# Altium PCB PCB1.PcbDoc (part 3 of 4) (continued)
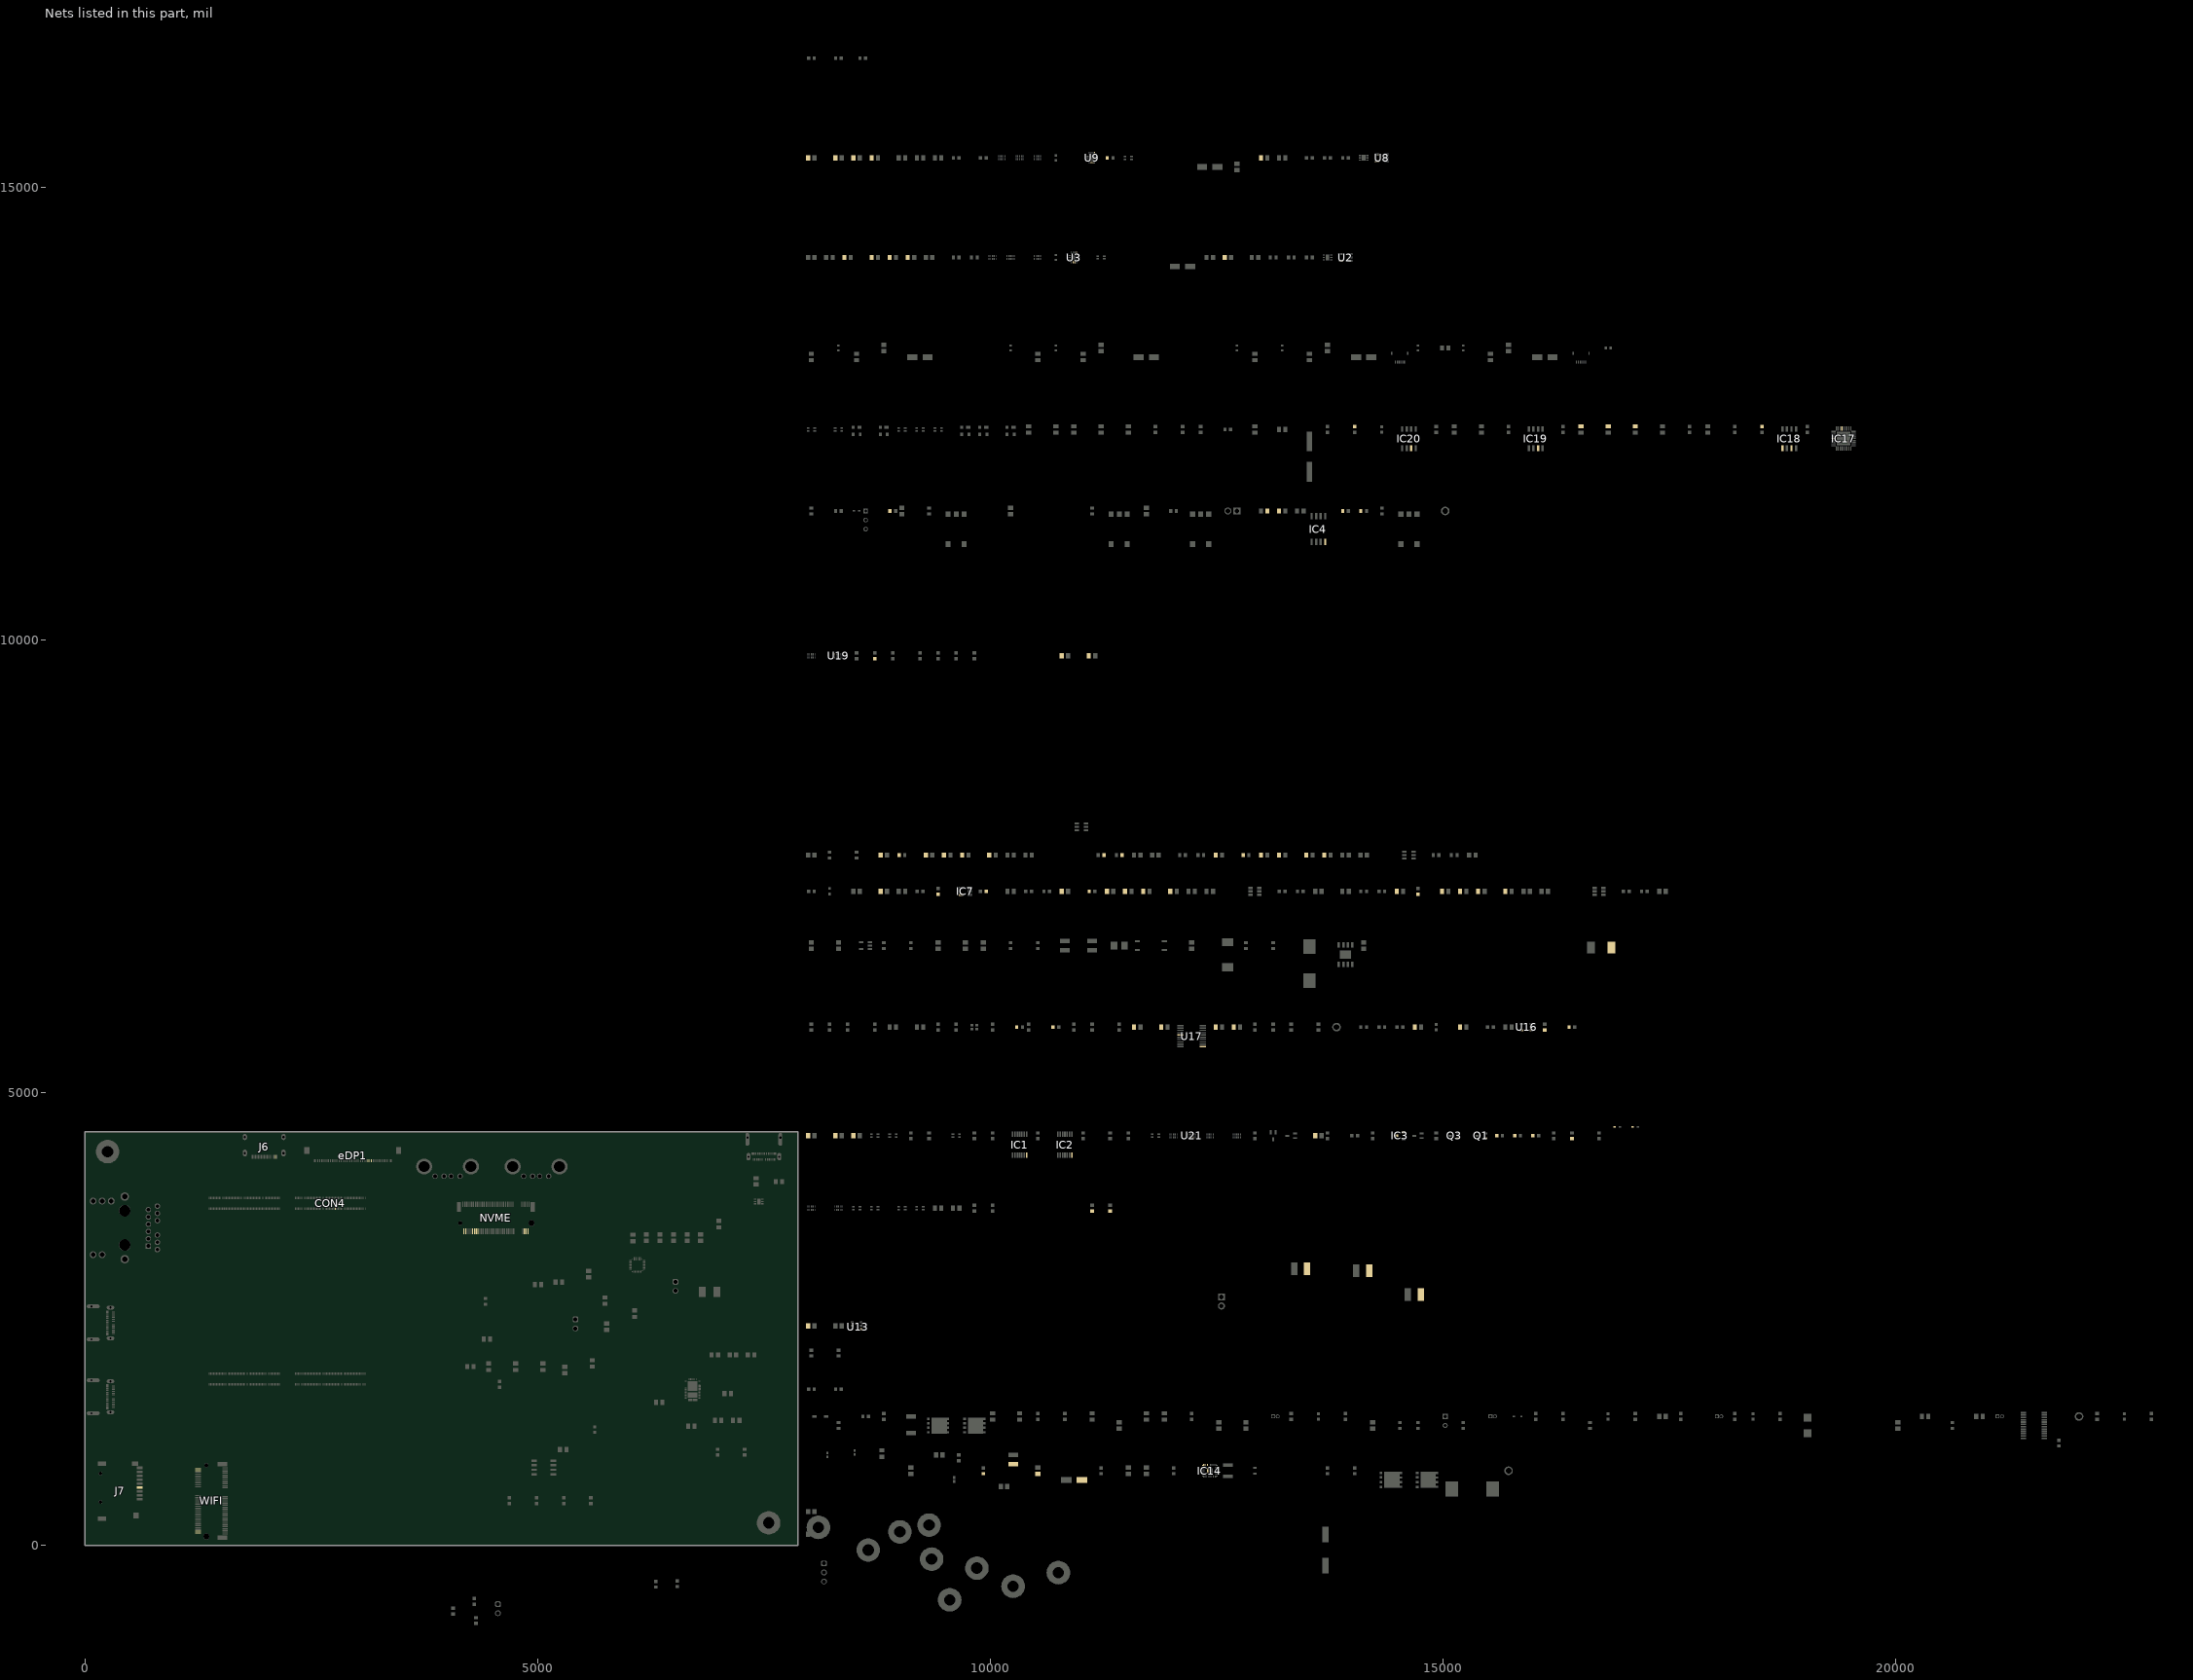
[diagram p10: the nets of this part, all layers, seen from the top]
## Part data (continued)
R6 R7 R19 R20 R21 R42 R43 R74 R79 R80 R84 R85 R89 R93 R94 R98 R99 R162: library part ERJ-3GEY0R00V, "Zero Ohm Resistor, Jumper, 0603 [1608 Metric], Thick Film, 100 mW, 1 A, Surface Mount", Case Code (Imperial)=0603, Case Code (Metric)=1608, Manufacturer=Panasonic, Max Operating Temperature=155°C, Max Power Dissipation=100mW, Min Operating Temperature=-55°C, Mouser Part Number=667-ERJ-3GEY0R00V, Package Quantity=5000, Ratings=AEC-Q200, Resistor Type="Thick Film", Supplier Part Number=P0.0GCT-ND, Temperature Coefficient=200ppm/°C, Tolerance=0%, Voltage Rating=75V, Arrow Part Number=ERJ-3GEY0R00V, Arrow Price/Stock=https://www.arrow.com/en/products/erj3gey0r00v/panasonic?region=europe, Case/Package=0603, Category="Chip SMD Resistors", ComponentLink1Description=https://datasheet.ciiva.com/11808/0900766b80f806dd-11808207.pdf?src-supplier=Rs, ComponentLink1URL=https://datasheet.ciiva.com/11808/0900766b80f806dd-11808207.pdf?src-supplier=Rs, ComponentLink2Description=https://datasheet.ciiva.com/27055/1935748-27055113.pdf?src-supplier=Jameco, ComponentLink2URL=https://datasheet.ciiva.com/27055/1935748-27055113.pdf?src-supplier=Jameco, ComponentLink3Description=https://datasheet.ciiva.com/5959/1678796-5959707.pdf?src-supplier=Farnell, ComponentLink3URL=https://datasheet.ciiva.com/5959/1678796-5959707.pdf?src-supplier=Farnell, ComponentLink4Description=https://datasheet.ciiva.com/43460/1678796-43460647.pdf?src-supplier=Farnell, ComponentLink4URL=https://datasheet.ciiva.com/43460/1678796-43460647.pdf?src-supplier=Farnell, ComponentLink5Description=https://datasheet.ciiva.com/48532/aoa0000ce1-48532165.pdf?src-supplier=Avnet, ComponentLink5URL=https://datasheet.ciiva.com/48532/aoa0000ce1-48532165.pdf?src-supplier=Avnet, ComponentLink6Description=https://datasheet.ciiva.com/28695/1678796-28695833.pdf?src-supplier=Element14, ComponentLink6URL=https://datasheet.ciiva.com/28695/1678796-28695833.pdf?src-supplier=Element14, ComponentLink7Description=https://datasheet.ciiva.com/16834/aoa0000ce1-16834828.pdf?src-supplier=Future+Electronics, ComponentLink7URL=https://datasheet.ciiva.com/16834/aoa0000ce1-16834828.pdf?src-supplier=Future+Electronics, ComponentLink8Description=https://datasheet.ciiva.com/16758/70255313-16758527.pdf?src-supplier=Allied+Electronics, ComponentLink8URL=https://datasheet.ciiva.com/16758/70255313-16758527.pdf?src-supplier=Allied+Electronics, ComponentLink9Description=https://datasheet.ciiva.com/30199/4aoa0000ce1-30199822.pdf?src-supplier=Onlinecomponents.com, ComponentLink9URL=https://datasheet.ciiva.com/30199/4aoa0000ce1-30199822.pdf?src-supplier=Onlinecomponents.com, ComponentLink10Description=https://datasheet.ciiva.com/46377/1678796-46377868.pdf?src-supplier=Element14, ComponentLink10URL=https://datasheet.ciiva.com/46377/1678796-46377868.pdf?src-supplier=Element14, ComponentLink11Description=https://datasheet.ciiva.com/9198/aoa0000ce1-9198975.pdf?src-supplier=Avnet, ComponentLink11URL=https://datasheet.ciiva.com/9198/aoa0000ce1-9198975.pdf?src-supplier=Avnet, Construction=Rectangular, Contact Plating=Tin, Datasheet Link=http://docs-europe.electrocomponents.com/webdocs/13ba/0900766b813ba21b.pdf, Depth=0.8mm, Features="Automotive AEC-Q200", Height=0.55mm, Lead Free=5697LeadFree, Length=1.6mm, Manufacturer Part Number=ERJ-3GEY0R00V, Manufacturer_Name=Panasonic, Manufacturer_Part_Number=ERJ-3GEY0R00V, Military Standard=Not, Mounting Technology="Surface Mount", Mouser Price/Stock=https://www.mouser.co.uk/ProductDetail/Panasonic/ERJ-3GEY0R00V?qs=66DK8nO8gJALIOqOWgiVwg%3D%3D, Number of Terminations=2, Packaging="Tape and Reel", Power Rating=100mW, Pricing="1=0.1, 10=0.02, 25=0.0164, 50=0.0144, 100=0.0126, 250=0.0106, 500=0.00936, 1000=0.0083 (USD)", Radiation Hardening=No, Reach SVHC Compliant=No, RoHS=Yes, RoHS Compliant=Yes, Series=ERJ, Stock=766631, Supplier=Digikey, Technology="THICK FILM", Termination=SMD/SMT, Width=0.8mm
R13 R22 R26 R27 R51 R52 R55 R57 R75 R76 R77 R81 R83 R86 R88 R95 R97 R100 R102 R104 R105 R106 R108 R117 R120 R127 R129 R164: library part ERJ-3GEYJ103V, "10K Ohm 5% Res Thick Film 0603  0.1W(1/10W) ±200ppm/C Pad SMD Automotive T/R", Case Code (Imperial)=0603, Case Code (Metric)=1608, Manufacturer=Panasonic, Max Operating Temperature=155°C, Max Power Dissipation=100mW, Min Operating Temperature=-55°C, Mouser Part Number=667-ERJ-3GEYJ103V, Package Quantity=1, Resistance Tolerance=5%, Resistor Type="Thick Film", Supplier Part Number=P10KGCT-ND, Temperature Coefficient=200ppm/°C, Voltage Rating=75V, Arrow Part Number=ERJ-3GEYJ103V, Arrow Price/Stock=https://www.arrow.com/en/products/erj-3geyj103v/panasonic?region=europe, Case/Package=0603, Category="Chip SMD Resistors", ComponentLink1Description=https://datasheet.ciiva.com/11809/0900766b80f806dd-11809566.pdf?src-supplier=Rs, ComponentLink1URL=https://datasheet.ciiva.com/11809/0900766b80f806dd-11809566.pdf?src-supplier=Rs, ComponentLink2Description=https://datasheet.ciiva.com/34303/2007265-34303757.pdf?src-supplier=Jameco, ComponentLink2URL=https://datasheet.ciiva.com/34303/2007265-34303757.pdf?src-supplier=Jameco, ComponentLink3Description=https://datasheet.ciiva.com/48531/aoa0000ce1-48531887.pdf?src-supplier=Avnet, ComponentLink3URL=https://datasheet.ciiva.com/48531/aoa0000ce1-48531887.pdf?src-supplier=Avnet, ComponentLink4Description=https://datasheet.ciiva.com/9117/aoa0000ce1-9117038.pdf?src-supplier=Avnet, ComponentLink4URL=https://datasheet.ciiva.com/9117/aoa0000ce1-9117038.pdf?src-supplier=Avnet, ComponentLink5Description=https://datasheet.ciiva.com/28514/1678796-28514213.pdf?src-supplier=Element14, ComponentLink5URL=https://datasheet.ciiva.com/28514/1678796-28514213.pdf?src-supplier=Element14, ComponentLink6Description=https://datasheet.ciiva.com/46371/1678796-46371909.pdf?src-supplier=Element14, ComponentLink6URL=https://datasheet.ciiva.com/46371/1678796-46371909.pdf?src-supplier=Element14, ComponentLink7Description=https://datasheet.ciiva.com/46385/1678796-46385240.pdf?src-supplier=Element14, ComponentLink7URL=https://datasheet.ciiva.com/46385/1678796-46385240.pdf?src-supplier=Element14, ComponentLink8Description=https://datasheet.ciiva.com/24133/aoa0000ce1-37422-24133064.pdf?src-supplier=Mouser, ComponentLink8URL=https://datasheet.ciiva.com/24133/aoa0000ce1-37422-24133064.pdf?src-supplier=Mouser, ComponentLink9Description=https://datasheet.ciiva.com/16740/aoa0000ce1-16740655.pdf?src-supplier=Future+Electronics, ComponentLink9URL=https://datasheet.ciiva.com/16740/aoa0000ce1-16740655.pdf?src-supplier=Future+Electronics, ComponentLink10Description=https://datasheet.ciiva.com/30147/4aoa0000ce1-30147029.pdf?src-supplier=Onlinecomponents.com, ComponentLink10URL=https://datasheet.ciiva.com/30147/4aoa0000ce1-30147029.pdf?src-supplier=Onlinecomponents.com, Construction=Rectangular, Contact Plating=Tin, Datasheet Link=http://docs-europe.electrocomponents.com/webdocs/13ba/0900766b813ba21b.pdf, Depth=0.8mm, Features="Automotive AEC-Q200", Height=0.55mm, Lead Free="Lead Free", Length=1.6mm, Manufacturer Part Number=ERJ-3GEYJ103V, Manufacturer_Name=Panasonic, Manufacturer_Part_Number=ERJ-3GEYJ103V, Military Standard=Not, Mounting Technology="Surface Mount", Mouser Price/Stock=https://www.mouser.co.uk/ProductDetail/Panasonic/ERJ-3GEYJ103V?qs=66DK8nO8gJBWgc%252B0VNNxzg%3D%3D, Number of Terminations=2, Packaging="Tape and Reel", Power Rating=100mW, Pricing="1=0.1, 10=0.033, 50=0.02, 100=0.0165, 500=0.01096, 1000=0.00939 (USD)", Reach SVHC Compliant=No, RoHS=Yes, RoHS Compliant=Yes, Series=ERJ, Stock=2191587, Supplier=Digikey, Technology="THICK FILM", Termination=SMD/SMT, Tolerance=5%, Weight=7.1E-05oz, Width=0.8mm, Working Voltage=75V
R14 R15 R16 R17: library part ERJ-3EKF5600V, "560 Ohm, ï¿½ 1%, 100 mW, 0603 [1608 Metric], Thick Film, Precision", Case Code (Imperial)=0603, Case Code (Metric)=1608, Manufacturer=Panasonic, Max Operating Temperature=155°C, Max Power Dissipation=100mW, Max Supply Voltage=5V, Min Operating Temperature=-55°C, Min Supply Voltage=3V, Output Current=2A, Output Voltage=35V, Package Quantity=1, Resistance Tolerance=1%, Resistor Type="Thick Film", Supplier Part Number=P560HCT-ND, Temperature Coefficient=100ppm/°C, Voltage Rating=75V, Case/Package=0603, Category="Chip SMD Resistors", ComponentLink1Description=https://datasheet.ciiva.com/3883/3984280s8821682n1386-3883650.pdf?src-supplier=Arrow+Electronics, ComponentLink1URL=https://datasheet.ciiva.com/3883/3984280s8821682n1386-3883650.pdf?src-supplier=Arrow+Electronics, ComponentLink2Description=https://datasheet.ciiva.com/5860/aoa0000ce2-5860665.pdf?src-supplier=Farnell, ComponentLink2URL=https://datasheet.ciiva.com/5860/aoa0000ce2-5860665.pdf?src-supplier=Farnell, ComponentLink3Description=https://datasheet.ciiva.com/30250/aoa0000ce2-30250751.pdf?src-supplier=Onlinecomponents.com, ComponentLink3URL=https://datasheet.ciiva.com/30250/aoa0000ce2-30250751.pdf?src-supplier=Onlinecomponents.com, ComponentLink4Description=https://datasheet.ciiva.com/22674/1678782-22674427.pdf?src-supplier=Element14, ComponentLink4URL=https://datasheet.ciiva.com/22674/1678782-22674427.pdf?src-supplier=Element14, ComponentLink5Description=https://datasheet.ciiva.com/9117/aoa0000ce2-9117192.pdf?src-supplier=Avnet, ComponentLink5URL=https://datasheet.ciiva.com/9117/aoa0000ce2-9117192.pdf?src-supplier=Avnet, ComponentLink6Description=https://datasheet.ciiva.com/16763/70260748-16763150.pdf?src-supplier=Allied+Electronics, ComponentLink6URL=https://datasheet.ciiva.com/16763/70260748-16763150.pdf?src-supplier=Allied+Electronics, ComponentLink7Description=https://datasheet.ciiva.com/16781/70260748-16781128.pdf?src-supplier=Allied+Electronics, ComponentLink7URL=https://datasheet.ciiva.com/16781/70260748-16781128.pdf?src-supplier=Allied+Electronics, ComponentLink8Description=https://datasheet.ciiva.com/22737/426256-22737578.pdf?src-supplier=Element14, ComponentLink8URL=https://datasheet.ciiva.com/22737/426256-22737578.pdf?src-supplier=Element14, ComponentLink9Description=https://datasheet.ciiva.com/28590/1678782-28590766.pdf?src-supplier=Element14, ComponentLink9URL=https://datasheet.ciiva.com/28590/1678782-28590766.pdf?src-supplier=Element14, Construction=Rectangular, Contact Plating=Tin, Depth=0.8mm, Features="Automotive AEC-Q200", Height=0.022inch, Lead Free="Lead Free", Length=1.6mm, Manufacturer Part Number=ERJ-3EKF5600V, Mfr_Name=Panasonic, Military Standard=Not, Mounting Technology="Surface Mount", Number of Terminations=2, Packaging="Tape and Reel", Power Rating=100mW, Pricing="1=0.1, 10=0.035, 100=0.0177, 1000=0.01014, 2500=0.00888 (USD)", Radiation Hardening=No, Reach SVHC Compliant=No, RoHS=Yes, RoHS Compliant=Yes, Series=ERJ, Stock=100259, Supplier=Digikey, Termination=SMD/SMT, Tolerance=1%, Voltage Rating (DC)=75V, Weight=7.1E-05oz, Width=0.8mm
R18 R53: library part ERJ-3GEYJ473V, "47K Ohm 5% 1/10W 0603 200ppm/C Molded SMD Punched Carrier T/R", Case Code (Imperial)=0603, Case Code (Metric)=1608, Manufacturer=Panasonic, Max Operating Temperature=155°C, Max Power Dissipation=100mW, Min Operating Temperature=-55°C, Package Quantity=1, Resistance Tolerance=5%, Resistor Type="Thick Film", Supplier Part Number=P47KGCT-ND, Temperature Coefficient=200ppm/°C, Voltage Rating=75V, Voltage Rating (DC)=50V, Case/Package=0603, Category="Chip SMD Resistors", ComponentLink1Description=https://datasheet.ciiva.com/11821/0900766b80f806dd-11821464.pdf?src-supplier=Rs, ComponentLink1URL=https://datasheet.ciiva.com/11821/0900766b80f806dd-11821464.pdf?src-supplier=Rs, ComponentLink2Description=https://datasheet.ciiva.com/48531/aoa0000ce1-48531644.pdf?src-supplier=Avnet, ComponentLink2URL=https://datasheet.ciiva.com/48531/aoa0000ce1-48531644.pdf?src-supplier=Avnet, ComponentLink3Description=https://datasheet.ciiva.com/24024/aoa0000ce1-37422-24024310.pdf?src-supplier=Mouser, ComponentLink3URL=https://datasheet.ciiva.com/24024/aoa0000ce1-37422-24024310.pdf?src-supplier=Mouser, ComponentLink4Description=https://datasheet.ciiva.com/28587/1678796-28587208.pdf?src-supplier=Element14, ComponentLink4URL=https://datasheet.ciiva.com/28587/1678796-28587208.pdf?src-supplier=Element14, ComponentLink5Description=https://datasheet.ciiva.com/28681/1678796-28681548.pdf?src-supplier=Element14, ComponentLink5URL=https://datasheet.ciiva.com/28681/1678796-28681548.pdf?src-supplier=Element14, ComponentLink6Description=https://datasheet.ciiva.com/46377/1500035-46377557.pdf?src-supplier=Element14, ComponentLink6URL=https://datasheet.ciiva.com/46377/1500035-46377557.pdf?src-supplier=Element14, ComponentLink7Description=https://datasheet.ciiva.com/46389/1500035-46389464.pdf?src-supplier=Element14, ComponentLink7URL=https://datasheet.ciiva.com/46389/1500035-46389464.pdf?src-supplier=Element14, Construction=Rectangular, Contact Plating=Tin, Depth=0.8mm, Features="Automotive AEC-Q200", Height=0.45mm, Lead Free="Lead Free", Length=1.6mm, Manufacturer Part Number=ERJ-3GEYJ473V, Mfr_Name=Panasonic, Military Standard=Not, Mounting Technology="Surface Mount", Number of Terminations=2, Packaging="Tape and Reel", Power Rating=100mW, Pricing="1=0.1, 10=0.033, 50=0.02, 100=0.0165, 500=0.01096, 1000=0.00939 (USD)", Radiation Hardening=No, Reach SVHC Compliant=No, RoHS=Yes, RoHS Compliant=Yes, Series=ERJ, Stock=564429, Supplier=Digikey, Technology="THICK FILM", Termination=SMD/SMT, Tolerance=5%, Width=0.8mm
R24 R103 R107: library part ERA-3AEB472V, "4.7K Ohm 0.1% 0.1W 0603 ±25ppm/°C Molded SMD Punched Carrier T/R", Case Code (Imperial)=0603, Case Code (Metric)=1608, Manufacturer=Panasonic, Max Operating Temperature=155°C, Max Power Dissipation=100mW, Min Operating Temperature=-55°C, Package Quantity=5000, Ratings=AEC-Q200, Resistance Tolerance=0.1%, Resistor Type="Thin Film", Supplier Part Number=P4.7KDBCT-ND, Temperature Coefficient=25ppm/°C, Voltage Rating=75V, Case/Package=0603, Category="Chip SMD Resistors", ComponentLink1Description=https://datasheet.ciiva.com/11808/0900766b80fe20f7-11808039.pdf?src-supplier=Rs, ComponentLink1URL=https://datasheet.ciiva.com/11808/0900766b80fe20f7-11808039.pdf?src-supplier=Rs, ComponentLink2Description=https://datasheet.ciiva.com/29183/451124-da-01-en-widerstand-0603-era-29183789.pdf?src-supplier=Conrad, ComponentLink2URL=https://datasheet.ciiva.com/29183/451124-da-01-en-widerstand-0603-era-29183789.pdf?src-supplier=Conrad, ComponentLink3Description=https://datasheet.ciiva.com/22781/485442-22781497.pdf?src-supplier=Farnell, ComponentLink3URL=https://datasheet.ciiva.com/22781/485442-22781497.pdf?src-supplier=Farnell, ComponentLink4Description=https://datasheet.ciiva.com/43455/485442-43455227.pdf?src-supplier=Farnell, ComponentLink4URL=https://datasheet.ciiva.com/43455/485442-43455227.pdf?src-supplier=Farnell, ComponentLink5Description=https://datasheet.ciiva.com/9116/aoa0000ce26-9116681.pdf?src-supplier=Avnet, ComponentLink5URL=https://datasheet.ciiva.com/9116/aoa0000ce26-9116681.pdf?src-supplier=Avnet, ComponentLink6Description=https://datasheet.ciiva.com/9117/aoa0000ce26-9117707.pdf?src-supplier=Avnet, ComponentLink6URL=https://datasheet.ciiva.com/9117/aoa0000ce26-9117707.pdf?src-supplier=Avnet, ComponentLink7Description=https://datasheet.ciiva.com/48425/era-eng-tds-48425470.pdf?src-supplier=Distrelec, ComponentLink7URL=https://datasheet.ciiva.com/48425/era-eng-tds-48425470.pdf?src-supplier=Distrelec, ComponentLink8Description=https://datasheet.ciiva.com/46422/485442-46422693.pdf?src-supplier=Element14, ComponentLink8URL=https://datasheet.ciiva.com/46422/485442-46422693.pdf?src-supplier=Element14, ComponentLink9Description=https://datasheet.ciiva.com/30078/54aoa0000ce26-30078815.pdf?src-supplier=Onlinecomponents.com, ComponentLink9URL=https://datasheet.ciiva.com/30078/54aoa0000ce26-30078815.pdf?src-supplier=Onlinecomponents.com, ComponentLink10Description=https://datasheet.ciiva.com/22743/485442-22743061.pdf?src-supplier=Element14, ComponentLink10URL=https://datasheet.ciiva.com/22743/485442-22743061.pdf?src-supplier=Element14, Construction=Rectangular, Contact Plating=Tin, Depth=0.8mm, Features="Automotive AEC-Q200", Height=0.45mm, Lead Free="Lead Free", Length=1.6mm, Manufacturer Part Number=ERA-3AEB472V, Mfr_Name=Panasonic, Military Standard=Not, Mounting Technology="Surface Mount", Number of Terminations=2, Packaging="Tape and Reel", Pins=2, Power Rating=100mW, Pricing="1=0.1, 10=0.065, 50=0.0574, 100=0.0541, 500=0.0475, 1000=0.045 (USD)", Radiation Hardening=No, Reach SVHC Compliant=No, RoHS=Yes, RoHS Compliant=Yes, Series=ERA-3A, Stock=284751, Supplier=Digikey, Technology="THIN FILM", Termination=SMD/SMT, Tolerance=0.1%, Voltage Rating (DC)=75V, Width=0.8mm, Working Voltage=75V
R25 R70 R71 R72 R73 R111 R135 R136: library part ERJ-3EKF1000V, "100 Ohm 1% 1/10W 0603 ±100ppm/°C Molded SMD Punched Carrier T/R", Case Code (Imperial)=0603, Case Code (Metric)=1608, Manufacturer=Panasonic, Max Operating Temperature=155°C, Max Power Dissipation=100mW, Min Operating Temperature=-55°C, Mouser Part Number=667-ERJ-3EKF1000V, Package Quantity=5000, Resistance Tolerance=1%, Resistor Type="Thick Film", Supplier Part Number=P100HCT-ND, Temperature Coefficient=100ppm/°C, Voltage Rating=75V, Arrow Part Number=ERJ-3EKF1000V, Arrow Price/Stock=https://www.arrow.com/en/products/erj-3ekf1000v/panasonic?utm_currency=USD&region=nac, Case/Package=0603, Category="Chip SMD Resistors", ComponentLink1Description=https://datasheet.ciiva.com/34303/1987450-34303565.pdf?src-supplier=Jameco, ComponentLink1URL=https://datasheet.ciiva.com/34303/1987450-34303565.pdf?src-supplier=Jameco, ComponentLink2Description=https://datasheet.ciiva.com/9186/aoa0000ce2-9186725.pdf?src-supplier=Avnet, ComponentLink2URL=https://datasheet.ciiva.com/9186/aoa0000ce2-9186725.pdf?src-supplier=Avnet, ComponentLink3Description=https://datasheet.ciiva.com/48530/aoa0000ce2-48530986.pdf?src-supplier=Avnet, ComponentLink3URL=https://datasheet.ciiva.com/48530/aoa0000ce2-48530986.pdf?src-supplier=Avnet, ComponentLink4Description=https://datasheet.ciiva.com/7830/aoa0000ce2-7830728.pdf?src-supplier=Element14, ComponentLink4URL=https://datasheet.ciiva.com/7830/aoa0000ce2-7830728.pdf?src-supplier=Element14, ComponentLink5Description=https://datasheet.ciiva.com/22667/1678782-22667887.pdf?src-supplier=Element14, ComponentLink5URL=https://datasheet.ciiva.com/22667/1678782-22667887.pdf?src-supplier=Element14, ComponentLink6Description=https://datasheet.ciiva.com/46372/1678782-46372726.pdf?src-supplier=Element14, ComponentLink6URL=https://datasheet.ciiva.com/46372/1678782-46372726.pdf?src-supplier=Element14, ComponentLink7Description=https://datasheet.ciiva.com/46372/1678782-46372727.pdf?src-supplier=Element14, ComponentLink7URL=https://datasheet.ciiva.com/46372/1678782-46372727.pdf?src-supplier=Element14, ComponentLink8Description=https://datasheet.ciiva.com/24159/aoa0000ce2-24159753.pdf?src-supplier=Mouser, ComponentLink8URL=https://datasheet.ciiva.com/24159/aoa0000ce2-24159753.pdf?src-supplier=Mouser, ComponentLink9Description=https://datasheet.ciiva.com/16765/70260748-16765766.pdf?src-supplier=Allied+Electronics, ComponentLink9URL=https://datasheet.ciiva.com/16765/70260748-16765766.pdf?src-supplier=Allied+Electronics, ComponentLink10Description=https://datasheet.ciiva.com/16762/70260748-16762666.pdf?src-supplier=Allied+Electronics, ComponentLink10URL=https://datasheet.ciiva.com/16762/70260748-16762666.pdf?src-supplier=Allied+Electronics, ComponentLink11Description=https://datasheet.ciiva.com/30088/aoa0000ce2-30088649.pdf?src-supplier=Onlinecomponents.com, ComponentLink11URL=https://datasheet.ciiva.com/30088/aoa0000ce2-30088649.pdf?src-supplier=Onlinecomponents.com, Construction=Rectangular, Contact Plating=Tin, Datasheet Link=http://industrial.panasonic.com/cdbs/www-data/pdf/RDA0000/AOA0000C86.pdf, Depth=0.8mm, Features="Automotive AEC-Q200", Height=0.55mm, Lead Free="Lead Free", Length=1.6mm, Manufacturer Part Number=ERJ-3EKF1000V, Manufacturer_Name=Panasonic, Manufacturer_Part_Number=ERJ-3EKF1000V, Military Standard=Not, Mounting Technology="Surface Mount", Mouser Price/Stock=https://www.mouser.co.uk/ProductDetail/Panasonic/ERJ-3EKF1000V?qs=H7k1u0Mp9JS7i8KGO5m47A%3D%3D, Number of Terminations=2, Packaging="Tape and Reel", Power Rating=100mW, Pricing="1=0.1, 10=0.035, 100=0.0177, 1000=0.01014, 2500=0.00888 (USD)", Radiation Hardening=No, Reach SVHC Compliant=No, RoHS=Yes, RoHS Compliant=Yes, Series=ERJ, Stock=1036225, Supplier=Digikey, Termination=SMD/SMT, Tolerance=1%, Voltage Rating (DC)=75V, Weight=7.1E-05oz, Width=0.8mm
R28 R29 R32 R33 R34 R35 R44 R45 R46 R47 R48 R49 R50 R78 R126 R131 R133 R137 R139: library part ERJ-3EKF33R0V, "33 Ohm 1% 0.1W 0603 ±100ppm/°C Molded SMD Punched Carrier T/R", Case Code (Imperial)=0603, Case Code (Metric)=1608, Manufacturer=Panasonic, Max Operating Temperature=155°C, Max Power Dissipation=100mW, Min Operating Temperature=-55°C, Package Quantity=1, Resistance Tolerance=1%, Resistor Type="Thick Film", Supplier Part Number=P33.0HCT-ND, Temperature Coefficient=100ppm/°C, Voltage Rating=75V, Case/Package=0603, Category="Chip SMD Resistors", ComponentLink1Description=https://datasheet.ciiva.com/5917/aoa0000ce2-5917831.pdf?src-supplier=Farnell, ComponentLink1URL=https://datasheet.ciiva.com/5917/aoa0000ce2-5917831.pdf?src-supplier=Farnell, ComponentLink2Description=https://datasheet.ciiva.com/48531/aoa0000ce2-48531007.pdf?src-supplier=Avnet, ComponentLink2URL=https://datasheet.ciiva.com/48531/aoa0000ce2-48531007.pdf?src-supplier=Avnet, ComponentLink3Description=https://datasheet.ciiva.com/30250/aoa0000ce2-30250862.pdf?src-supplier=Onlinecomponents.com, ComponentLink3URL=https://datasheet.ciiva.com/30250/aoa0000ce2-30250862.pdf?src-supplier=Onlinecomponents.com, ComponentLink4Description=https://datasheet.ciiva.com/16778/70260748-16778478.pdf?src-supplier=Allied+Electronics, ComponentLink4URL=https://datasheet.ciiva.com/16778/70260748-16778478.pdf?src-supplier=Allied+Electronics, ComponentLink5Description=https://datasheet.ciiva.com/16781/70260748-16781237.pdf?src-supplier=Allied+Electronics, ComponentLink5URL=https://datasheet.ciiva.com/16781/70260748-16781237.pdf?src-supplier=Allied+Electronics, ComponentLink6Description=https://datasheet.ciiva.com/22673/1678782-22673288.pdf?src-supplier=Element14, ComponentLink6URL=https://datasheet.ciiva.com/22673/1678782-22673288.pdf?src-supplier=Element14, ComponentLink7Description=https://datasheet.ciiva.com/24026/aoa0000ce2-24026635.pdf?src-supplier=Mouser, ComponentLink7URL=https://datasheet.ciiva.com/24026/aoa0000ce2-24026635.pdf?src-supplier=Mouser, ComponentLink8Description=https://datasheet.ciiva.com/22687/1678782-22687390.pdf?src-supplier=Element14, ComponentLink8URL=https://datasheet.ciiva.com/22687/1678782-22687390.pdf?src-supplier=Element14, ComponentLink9Description=https://datasheet.ciiva.com/7836/aoa0000ce2-7836503.pdf?src-supplier=Element14, ComponentLink9URL=https://datasheet.ciiva.com/7836/aoa0000ce2-7836503.pdf?src-supplier=Element14, ComponentLink10Description=https://datasheet.ciiva.com/7836/426256-7836821.pdf?src-supplier=Element14, ComponentLink10URL=https://datasheet.ciiva.com/7836/426256-7836821.pdf?src-supplier=Element14, Construction=Rectangular, Contact Plating=Tin, Depth=0.8mm, Features="Automotive AEC-Q200", Height=0.022inch, Lead Free="Lead Free", Length=1.6mm, Manufacturer Part Number=ERJ-3EKF33R0V, Mfr_Name=Panasonic, Military Standard=Not, Mounting Technology="Surface Mount", Number of Terminations=2, Packaging="Tape and Reel", Pins=2, Power Rating=100mW, Pricing="1=0.1, 10=0.035, 100=0.0177, 1000=0.01014, 2500=0.00888 (USD)", Radiation Hardening=No, Reach SVHC Compliant=No, RoHS=Yes, RoHS Compliant=Yes, Series=ERJ, Stock=430721, Supplier=Digikey, Termination=SMD/SMT, Tolerance=1%, Voltage Rating (DC)=75V, Width=0.8mm
R30 R31 R37 R38 R39 R40: library part ERJ-3EKF49R9V, "100Mw Thick Film Resistors 100Ppm/ 1% 49.9 0603 Chip Resistor Surface Mount Rohs", Case Code (Imperial)=0603, Case Code (Metric)=1608, Manufacturer=Panasonic, Max Operating Temperature=155°C, Max Power Dissipation=100mW, Min Operating Temperature=-55°C, Package Quantity=5000, Resistance Tolerance=1%, Resistor Type="Thick Film", Supplier Part Number=P49.9HCT-ND, Temperature Coefficient=100ppm/°C, Voltage Rating=75V, Working Voltage=6V, Case/Package=0603, Category="Chip SMD Resistors", ComponentLink1Description=https://datasheet.ciiva.com/48531/aoa0000ce2-48531019.pdf?src-supplier=Avnet, ComponentLink1URL=https://datasheet.ciiva.com/48531/aoa0000ce2-48531019.pdf?src-supplier=Avnet, ComponentLink2Description=https://datasheet.ciiva.com/30095/aoa0000ce2-30095355.pdf?src-supplier=Onlinecomponents.com, ComponentLink2URL=https://datasheet.ciiva.com/30095/aoa0000ce2-30095355.pdf?src-supplier=Onlinecomponents.com, ComponentLink3Description=https://datasheet.ciiva.com/9117/aoa0000ce2-9117128.pdf?src-supplier=Avnet, ComponentLink3URL=https://datasheet.ciiva.com/9117/aoa0000ce2-9117128.pdf?src-supplier=Avnet, ComponentLink4Description=https://datasheet.ciiva.com/16766/70260748-16766262.pdf?src-supplier=Allied+Electronics, ComponentLink4URL=https://datasheet.ciiva.com/16766/70260748-16766262.pdf?src-supplier=Allied+Electronics, ComponentLink5Description=https://datasheet.ciiva.com/16772/70260748-16772570.pdf?src-supplier=Allied+Electronics, ComponentLink5URL=https://datasheet.ciiva.com/16772/70260748-16772570.pdf?src-supplier=Allied+Electronics, ComponentLink6Description=https://datasheet.ciiva.com/28694/1678782-28694219.pdf?src-supplier=Element14, ComponentLink6URL=https://datasheet.ciiva.com/28694/1678782-28694219.pdf?src-supplier=Element14, ComponentLink7Description=https://datasheet.ciiva.com/46388/1678782-46388908.pdf?src-supplier=Element14, ComponentLink7URL=https://datasheet.ciiva.com/46388/1678782-46388908.pdf?src-supplier=Element14, Construction=Rectangular, Contact Plating=Tin, Depth=0.8mm, Features="Automotive AEC-Q200", Height=0.022inch, Length=1.6mm, Manufacturer Part Number=ERJ-3EKF49R9V, Mfr_Name=Panasonic, Military Standard=Not, Mounting Technology="Surface Mount", Number of Terminations=2, Packaging="Tape and Reel", Power Rating=100mW, Pricing="1=0.1, 10=0.035, 100=0.0177, 1000=0.01014, 2500=0.00888 (USD)", Radiation Hardening=No, Reach SVHC Compliant=No, RoHS=Yes, RoHS Compliant=Yes, Series=ERJ, Stock=459806, Supplier=Digikey, Technology="THICK FILM", Termination=SMD/SMT, Tolerance=1%, Width=0.8mm
R36: library part ERJ-3GEYJ471V, "470 Ohm 5% 1/10W 0603 +/-200ppm/ßC Molded SMD Punched Carrier T/R", Case Code (Imperial)=0603, Case Code (Metric)=1608, Manufacturer=Panasonic, Max Operating Temperature=155°C, Max Power Dissipation=100mW, Min Operating Temperature=-55°C, Package Quantity=1, Resistance Tolerance=5%, Resistor Type="Thick Film", Supplier Part Number=P470GCT-ND, Temperature Coefficient=200ppm/°C, Voltage Rating=75V, Case/Package=0603, Category="Chip SMD Resistors", ComponentLink1Description=https://datasheet.ciiva.com/11821/0900766b80f806dd-11821465.pdf?src-supplier=Rs, ComponentLink1URL=https://datasheet.ciiva.com/11821/0900766b80f806dd-11821465.pdf?src-supplier=Rs, ComponentLink2Description=https://datasheet.ciiva.com/6138/1678796-6138175.pdf?src-supplier=Farnell, ComponentLink2URL=https://datasheet.ciiva.com/6138/1678796-6138175.pdf?src-supplier=Farnell, ComponentLink3Description=https://datasheet.ciiva.com/9117/aoa0000ce1-9117207.pdf?src-supplier=Avnet, ComponentLink3URL=https://datasheet.ciiva.com/9117/aoa0000ce1-9117207.pdf?src-supplier=Avnet, ComponentLink4Description=https://datasheet.ciiva.com/28676/1678796-28676277.pdf?src-supplier=Element14, ComponentLink4URL=https://datasheet.ciiva.com/28676/1678796-28676277.pdf?src-supplier=Element14, ComponentLink5Description=https://datasheet.ciiva.com/46377/1678796-46377559.pdf?src-supplier=Element14, ComponentLink5URL=https://datasheet.ciiva.com/46377/1678796-46377559.pdf?src-supplier=Element14, ComponentLink6Description=https://datasheet.ciiva.com/46389/1678796-46389462.pdf?src-supplier=Element14, ComponentLink6URL=https://datasheet.ciiva.com/46389/1678796-46389462.pdf?src-supplier=Element14, ComponentLink7Description=https://datasheet.ciiva.com/16449/aoa0000ce1-16449526.pdf?src-supplier=Future+Electronics, ComponentLink7URL=https://datasheet.ciiva.com/16449/aoa0000ce1-16449526.pdf?src-supplier=Future+Electronics, ComponentLink8Description=https://datasheet.ciiva.com/16767/70255313-16767606.pdf?src-supplier=Allied+Electronics, ComponentLink8URL=https://datasheet.ciiva.com/16767/70255313-16767606.pdf?src-supplier=Allied+Electronics, ComponentLink9Description=https://datasheet.ciiva.com/16777/70255313-16777174.pdf?src-supplier=Allied+Electronics, ComponentLink9URL=https://datasheet.ciiva.com/16777/70255313-16777174.pdf?src-supplier=Allied+Electronics, ComponentLink10Description=https://datasheet.ciiva.com/30073/4aoa0000ce1-30073208.pdf?src-supplier=Onlinecomponents.com, ComponentLink10URL=https://datasheet.ciiva.com/30073/4aoa0000ce1-30073208.pdf?src-supplier=Onlinecomponents.com, Construction=Rectangular, Contact Plating=Tin, Depth=0.8mm, Features="Automotive AEC-Q200", Height=0.45mm, Lead Free="Lead Free", Length=1.6mm, Manufacturer Part Number=ERJ-3GEYJ471V, Mfr_Name=Panasonic, Military Standard=Not, Mounting Technology="Surface Mount", Number of Terminations=2, Packaging="Tape and Reel", Pins=2NUMBER, Power Rating=100mW, Radiation Hardening=No, Reach SVHC Compliant=No, RoHS=Yes, RoHS Compliant=Yes, Series=ERJ, Supplier=Digikey, Technology="THICK FILM", Termination=SMD/SMT, Tolerance=5%, Voltage Rating (DC)=75V, Weight=7.1E-05oz, Width=0.8mm
R54 R56 R59: library part ERJ-3GEYJ182V, "1.8 kOhm, ± 5%, 100 mW, 0603 [1608 Metric], Thick Film, General Purpose", Case Code (Imperial)=0603, Case Code (Metric)=1608, Manufacturer=Panasonic, Max Operating Temperature=155°C, Max Power Dissipation=100mW, Min Operating Temperature=-55°C, Package Quantity=5000, Resistance Tolerance=5%, Resistor Type="Thick Film", Supplier Part Number=P1.8KGCT-ND, Temperature Coefficient=200ppm/°C, Voltage Rating=75V, Voltage Rating (DC)=50V, Case/Package=0603, Category="Chip SMD Resistors", ComponentLink1Description=https://datasheet.ciiva.com/11821/0900766b80f806dd-11821432.pdf?src-supplier=Rs, ComponentLink1URL=https://datasheet.ciiva.com/11821/0900766b80f806dd-11821432.pdf?src-supplier=Rs, ComponentLink2Description=https://datasheet.ciiva.com/30254/4aoa0000ce1-30254454.pdf?src-supplier=Onlinecomponents.com, ComponentLink2URL=https://datasheet.ciiva.com/30254/4aoa0000ce1-30254454.pdf?src-supplier=Onlinecomponents.com, ComponentLink3Description=https://datasheet.ciiva.com/9117/aoa0000ce1-9117098.pdf?src-supplier=Avnet, ComponentLink3URL=https://datasheet.ciiva.com/9117/aoa0000ce1-9117098.pdf?src-supplier=Avnet, ComponentLink4Description=https://datasheet.ciiva.com/16766/70255313-16766154.pdf?src-supplier=Allied+Electronics, ComponentLink4URL=https://datasheet.ciiva.com/16766/70255313-16766154.pdf?src-supplier=Allied+Electronics, ComponentLink5Description=https://datasheet.ciiva.com/16772/70255313-16772088.pdf?src-supplier=Allied+Electronics, ComponentLink5URL=https://datasheet.ciiva.com/16772/70255313-16772088.pdf?src-supplier=Allied+Electronics, ComponentLink6Description=https://datasheet.ciiva.com/46440/1500035-46440095.pdf?src-supplier=Element14, ComponentLink6URL=https://datasheet.ciiva.com/46440/1500035-46440095.pdf?src-supplier=Element14, Construction=Rectangular, Contact Plating=Tin, Depth=0.8mm, Features="Automotive AEC-Q200", Height=0.45mm, Lead Free="Lead Free", Length=1.6mm, Manufacturer Part Number=ERJ-3GEYJ182V, Mfr_Name=Panasonic, Military Standard=Not, Mounting Technology="Surface Mount", Number of Terminations=2, Packaging="Tape and Reel", Power Rating=100mW, Pricing="1=0.1, 10=0.033, 50=0.02, 100=0.0165, 500=0.01096, 1000=0.00939 (USD)", Radiation Hardening=No, Reach SVHC Compliant=No, RoHS=Yes, RoHS Compliant=Yes, Series=ERJ, Stock=204507, Supplier=Digikey, Technology="THICK FILM", Termination=SMD/SMT, Tolerance=5%, Width=0.8mm
R58 R123 R130 R132 R134 R143 R161 R165: library part ERJ-3EKF1001V, "1K Ohm 1% 1/10W Res Thick Film 0603 ±100ppm/°C Molded SMD Punched Carrier T/R", Case Code (Imperial)=0603, Case Code (Metric)=1608, Manufacturer=Panasonic, Max Operating Temperature=155°C, Max Power Dissipation=100mW, Min Operating Temperature=-55°C, Mouser Part Number=667-ERJ-3EKF1001V, Package Quantity=5000, Resistance Tolerance=1%, Resistor Type="Thick Film", Supplier Part Number=P1.00KHCT-ND, Temperature Coefficient=100ppm/°C, Voltage Rating=75V, Arrow Part Number=ERJ-3EKF1001V, Arrow Price/Stock=https://www.arrow.com/en/products/erj-3ekf1001v/panasonic?utm_currency=USD&region=europe, Case/Package=0603, Category="Chip SMD Resistors", ComponentLink1Description=https://datasheet.ciiva.com/48530/aoa0000ce2-48530987.pdf?src-supplier=Avnet, ComponentLink1URL=https://datasheet.ciiva.com/48530/aoa0000ce2-48530987.pdf?src-supplier=Avnet, ComponentLink2Description=https://datasheet.ciiva.com/30063/aoa0000ce2-30063390.pdf?src-supplier=Onlinecomponents.com, ComponentLink2URL=https://datasheet.ciiva.com/30063/aoa0000ce2-30063390.pdf?src-supplier=Onlinecomponents.com, ComponentLink3Description=https://datasheet.ciiva.com/16449/aoa0000ce2-16449065.pdf?src-supplier=Future+Electronics, ComponentLink3URL=https://datasheet.ciiva.com/16449/aoa0000ce2-16449065.pdf?src-supplier=Future+Electronics, ComponentLink4Description=https://datasheet.ciiva.com/22673/1678782-22673918.pdf?src-supplier=Element14, ComponentLink4URL=https://datasheet.ciiva.com/22673/1678782-22673918.pdf?src-supplier=Element14, ComponentLink5Description=https://datasheet.ciiva.com/16768/70260748-16768437.pdf?src-supplier=Allied+Electronics, ComponentLink5URL=https://datasheet.ciiva.com/16768/70260748-16768437.pdf?src-supplier=Allied+Electronics, ComponentLink6Description=https://datasheet.ciiva.com/16774/70260748-16774550.pdf?src-supplier=Allied+Electronics, ComponentLink6URL=https://datasheet.ciiva.com/16774/70260748-16774550.pdf?src-supplier=Allied+Electronics, ComponentLink7Description=https://datasheet.ciiva.com/46373/1678782-46373339.pdf?src-supplier=Element14, ComponentLink7URL=https://datasheet.ciiva.com/46373/1678782-46373339.pdf?src-supplier=Element14, ComponentLink8Description=https://datasheet.ciiva.com/46373/1678782-46373340.pdf?src-supplier=Element14, ComponentLink8URL=https://datasheet.ciiva.com/46373/1678782-46373340.pdf?src-supplier=Element14, ComponentLink9Description=https://datasheet.ciiva.com/7942/aoa0000ce2-7942427.pdf?src-supplier=Element14, ComponentLink9URL=https://datasheet.ciiva.com/7942/aoa0000ce2-7942427.pdf?src-supplier=Element14, ComponentLink10Description=https://datasheet.ciiva.com/9198/aoa0000ce2-9198923.pdf?src-supplier=Avnet, ComponentLink10URL=https://datasheet.ciiva.com/9198/aoa0000ce2-9198923.pdf?src-supplier=Avnet, ComponentLink11Description=https://datasheet.ciiva.com/24070/aoa0000ce2-24070269.pdf?src-supplier=Mouser, ComponentLink11URL=https://datasheet.ciiva.com/24070/aoa0000ce2-24070269.pdf?src-supplier=Mouser, Construction=Rectangular, Contact Plating=Tin, Datasheet Link=http://industrial.panasonic.com/cdbs/www-data/pdf/RDA0000/AOA0000C86.pdf, Depth=0.8mm, Features="Automotive AEC-Q200", Height=0.55mm, Length=1.6mm, Manufacturer Part Number=ERJ-3EKF1001V, Manufacturer_Name=Panasonic, Manufacturer_Part_Number=ERJ-3EKF1001V, Military Standard=Not, Mounting Technology="Surface Mount", Mouser Price/Stock=https://www.mouser.co.uk/ProductDetail/Panasonic/ERJ-3EKF1001V?qs=H7k1u0Mp9JTM8yQxOuvoDg%3D%3D, Number of Terminations=2, Packaging="Tape and Reel", Pins=2, Power Rating=100mW, Pricing="1=0.1, 10=0.035, 100=0.0177, 1000=0.01014, 2500=0.00847 (USD)", Radiation Hardening=No, Reach SVHC Compliant=No, RoHS=Yes, RoHS Compliant=Yes, Series=ERJ, Stock=1610348, Supplier=Digikey, Technology="THICK FILM", Termination=SMD/SMT, Tolerance=1%, Voltage Rating (DC)=75V, Width=0.8mm
R60 R61 R92: library part ERJ-3EKF2702V, "27K Ohm 1% 1/10W 0603 ±100ppm/°C Molded SMD Punched Carrier T/R", Case Code (Imperial)=0603, Case Code (Metric)=1608, Manufacturer=Panasonic, Max Operating Temperature=155°C, Max Power Dissipation=100mW, Min Operating Temperature=-55°C, Package Quantity=1, Resistance Tolerance=1%, Resistor Type="Thick Film", Supplier Part Number=P27.0KHCT-ND, Temperature Coefficient=100ppm/°C, Voltage Rating=75V, Case/Package=0603, Category="Chip SMD Resistors", ComponentLink1Description=https://datasheet.ciiva.com/6082/aoa0000ce2-6082174.pdf?src-supplier=Farnell, ComponentLink1URL=https://datasheet.ciiva.com/6082/aoa0000ce2-6082174.pdf?src-supplier=Farnell, ComponentLink2Description=https://datasheet.ciiva.com/9116/aoa0000ce2-9116938.pdf?src-supplier=Avnet, ComponentLink2URL=https://datasheet.ciiva.com/9116/aoa0000ce2-9116938.pdf?src-supplier=Avnet, ComponentLink3Description=https://datasheet.ciiva.com/9191/aoa0000ce2-9191209.pdf?src-supplier=Avnet, ComponentLink3URL=https://datasheet.ciiva.com/9191/aoa0000ce2-9191209.pdf?src-supplier=Avnet, ComponentLink4Description=https://datasheet.ciiva.com/24124/aoa0000ce2-24124345.pdf?src-supplier=Mouser, ComponentLink4URL=https://datasheet.ciiva.com/24124/aoa0000ce2-24124345.pdf?src-supplier=Mouser, ComponentLink5Description=https://datasheet.ciiva.com/46420/1678782-46420331.pdf?src-supplier=Element14, ComponentLink5URL=https://datasheet.ciiva.com/46420/1678782-46420331.pdf?src-supplier=Element14, ComponentLink6Description=https://datasheet.ciiva.com/7886/aoa0000ce2-7886728.pdf?src-supplier=Element14, ComponentLink6URL=https://datasheet.ciiva.com/7886/aoa0000ce2-7886728.pdf?src-supplier=Element14, ComponentLink7Description=https://datasheet.ciiva.com/16765/70260748-16765016.pdf?src-supplier=Allied+Electronics, ComponentLink7URL=https://datasheet.ciiva.com/16765/70260748-16765016.pdf?src-supplier=Allied+Electronics, ComponentLink8Description=https://datasheet.ciiva.com/16785/70260748-16785821.pdf?src-supplier=Allied+Electronics, ComponentLink8URL=https://datasheet.ciiva.com/16785/70260748-16785821.pdf?src-supplier=Allied+Electronics, Construction=Rectangular, Contact Plating=Tin, Depth=0.8mm, Features="Automotive AEC-Q200", Height=0.022inch, Lead Free="Lead Free", Length=1.6mm, Manufacturer Part Number=ERJ-3EKF2702V, Mfr_Name=Panasonic, Military Standard=Not, Mounting Technology="Surface Mount", Number of Terminations=2, Packaging="Tape and Reel", Pins=2, Power Rating=100mW, Pricing="1=0.1, 10=0.035, 100=0.0177, 1000=0.01014, 2500=0.00847 (USD)", Radiation Hardening=No, Reach SVHC Compliant=No, RoHS=Yes, RoHS Compliant=Yes, Series=ERJ, Stock=194466, Supplier=Digikey, Termination=SMD/SMT, Tolerance=1%, Voltage Rating (DC)=75V, Weight=7.1E-05oz, Width=0.8mm
R62 R63 R64 R65 R66 R67 R68 R69: library part ERJ-3EKF4990V, "499 Ohm, ï¿½ 1%, 100 mW, 0603 [1608 Metric], Thick Film, Precision", Case Code (Imperial)=0603, Case Code (Metric)=1608, Manufacturer=Panasonic, Max Operating Temperature=155°C, Max Power Dissipation=100mW, Min Operating Temperature=-55°C, Package Quantity=1, Resistance Tolerance=1%, Resistor Type="Thick Film", Supplier Part Number=P499HCT-ND, Temperature Coefficient=100ppm/°C, Voltage Rating=75V, Voltage Rating (DC)=50V, Case/Package=0603, Category="Chip SMD Resistors", ComponentLink1Description=https://datasheet.ciiva.com/48531/aoa0000ce2-48531014.pdf?src-supplier=Avnet, ComponentLink1URL=https://datasheet.ciiva.com/48531/aoa0000ce2-48531014.pdf?src-supplier=Avnet, ComponentLink2Description=https://datasheet.ciiva.com/30248/aoa0000ce2-30248877.pdf?src-supplier=Onlinecomponents.com, ComponentLink2URL=https://datasheet.ciiva.com/30248/aoa0000ce2-30248877.pdf?src-supplier=Onlinecomponents.com, ComponentLink3Description=https://datasheet.ciiva.com/43460/426256-43460456.pdf?src-supplier=Farnell, ComponentLink3URL=https://datasheet.ciiva.com/43460/426256-43460456.pdf?src-supplier=Farnell, ComponentLink4Description=https://datasheet.ciiva.com/9117/aoa0000ce2-9117110.pdf?src-supplier=Avnet, ComponentLink4URL=https://datasheet.ciiva.com/9117/aoa0000ce2-9117110.pdf?src-supplier=Avnet, Construction=Rectangular, Contact Plating=Tin, Depth=0.8mm, Features="Automotive AEC-Q200", Height=0.45mm, Lead Free="Lead Free", Length=1.6mm, Manufacturer Part Number=ERJ-3EKF4990V, Mfr_Name=Panasonic, Military Standard=Not, Mounting Technology="Surface Mount", Number of Terminations=2, Packaging="Tape and Reel", Power Rating=100mW, Pricing="1=0.1, 10=0.035, 100=0.0177, 1000=0.01014, 2500=0.00847 (USD)", Radiation Hardening=No, Reach SVHC Compliant=No, RoHS=Yes, RoHS Compliant=Yes, Series=ERJ, Stock=179220, Supplier=Digikey, Technology="THICK FILM", Termination=SMD/SMT, Tolerance=1%, Width=0.8mm